# KiCad board keyboard.kicad_pcb (continued)
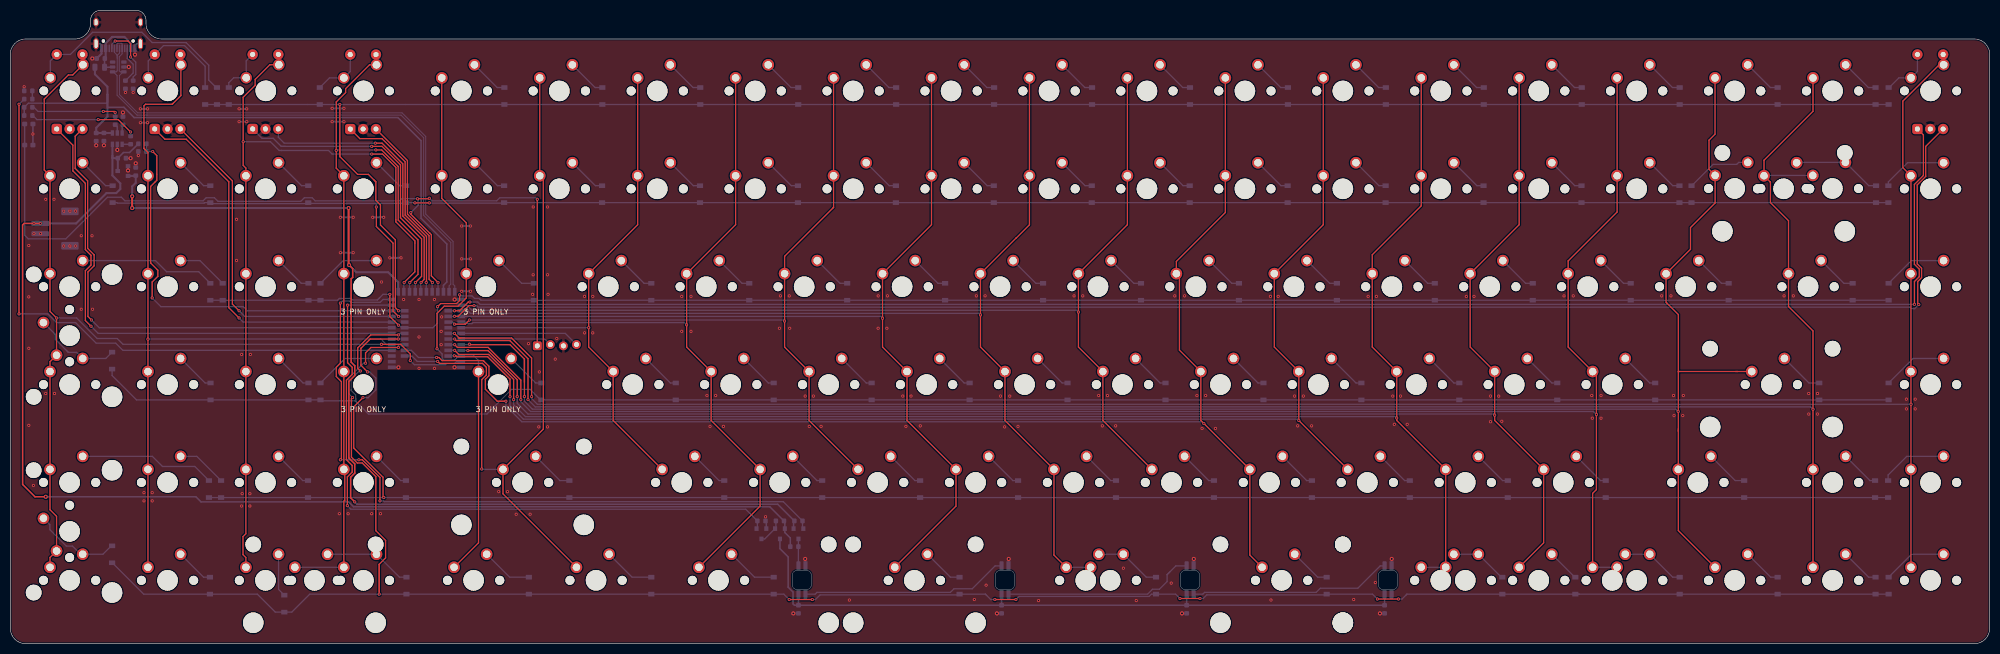
[diagram p0: board, top side]
## Nets
+3V3: C2.2 Q3.1 R1.1 U3.2 U4.14
+5V: C3.1 C4.1 D1.2 D14.2 F1.1 U1.4 U4.22
GND: C1.1 C2.1 C3.2 C4.2 C19.1 C20.1 C21.1 C23.1 C40.1 D21.3 D22.3 D23.3 D25.3 J1.A1 J1.A12 J1.B1 J1.B12 J1.S1 J2.3 J3.2 K_0.C K_1.C K_2.C K_3.C K_19.C Q2.2 R3.1 R5.1 R6.2 R8.2 R10.2 R12.2 SW1.2 U1.2 U2.2 U3.1 U4.1 U4.25 U4.37
VBUS: C40.2 F1.2 J1.A4 J1.A9 J1.B4 J1.B9 U2.5
+BATT: C1.2 J3.1 Q1.2 R2.1 R7.1 R9.2 U1.3 U3.3
/COL0: K_0.S1 K_20.1 K_39.1 K_40.1 K_59.1 K_77.1 K_78.1 K_96.1 U4.36
/COL1: K_1.S1 K_21.1 K_41.1 K_60.1 K_79.1 K_97.1 U4.5
/COL2: K_2.S1 K_22.1 K_42.1 K_61.1 K_80.1 K_108.1 U4.15
/COL3: K_3.S1 K_23.1 K_43.1 K_62.1 K_81.1 K_98.1 K_109.1 U4.16
/COL4: K_4.1 K_24.1 K_44.1 K_63.1 K_99.1 U4.35
/COL5: K_5.1 K_25.1 K_82.1 K_100.1 U4.38
/COL6: K_6.1 K_26.1 K_45.1 K_64.1 K_83.1 U4.30
/COL7: K_7.1 K_27.1 K_46.1 K_65.1 K_84.1 K_101.1 U4.29
/COL8: K_8.1 K_28.1 K_47.1 K_66.1 K_85.1 U4.53
/COL9: K_9.1 K_29.1 K_48.1 K_67.1 K_86.1 K_110.1 U4.28
/COL10: K_10.1 K_30.1 K_49.1 K_68.1 K_87.1 K_102.1 K_111.1 U4.27
/COL11: K_11.1 K_31.1 K_50.1 K_69.1 K_88.1 U4.26
/COL12: K_12.1 K_32.1 K_51.1 K_70.1 K_89.1 K_112.1 U4.39
/COL13: K_13.1 K_33.1 K_52.1 K_71.1 K_90.1 U4.47
/COL14: K_14.1 K_34.1 K_53.1 K_72.1 K_91.1 K_103.1 K_113.1 U4.48
/COL15: K_15.1 K_35.1 K_54.1 K_73.1 K_92.1 K_114.1 U4.34
/COL16: K_16.1 K_36.1 K_55.1 K_74.1 K_104.1 K_115.1 U4.49
/COL17: K_17.1 K_56.1 K_75.1 K_93.1 K_105.1 K_117.1 U4.33
/COL18: K_18.1 K_37.1 K_57.1 K_94.1 K_106.1 K_116.1 U4.50
/COL19: K_19.S1 K_38.1 K_58.1 K_76.1 K_95.1 K_107.1 U4.51
/ENC0_A: K_0.A U4.7
/ENC0_B: K_0.B U4.8
/ENC1_A: K_1.A U4.9
/ENC1_B: K_1.B U4.10
/ENC2_A: K_2.A U4.17
/ENC2_B: K_2.B U4.18
/ENC3_A: K_3.A U4.19
/ENC3_B: K_3.B U4.20
/ENC4_A: K_19.A U4.55
/ENC4_B: K_19.B U4.54
/nRST: J2.1 SW1.1 U4.21
/ROW0: D_0.1 D_1.1 D_2.1 D_3.1 D_4.1 D_5.1 D_6.1 D_7.1 D_8.1 D_9.1 D_10.1 D_11.1 D_12.1 D_13.1 D_14.1 D_15.1 D_16.1 D_17.1 D_18.1 D_19.1 U4.46
/ROW1: D_20.1 D_21.1 D_22.1 D_23.1 D_24.1 D_25.1 D_26.1 D_27.1 D_28.1 D_29.1 D_30.1 D_31.1 D_32.1 D_33.1 D_34.1 D_35.1 D_36.1 D_37.1 D_38.1 D_59.1 U4.45
/ROW2: D_39.1 D_41.1 D_42.1 D_43.1 D_44.1 D_45.1 D_46.1 D_47.1 D_48.1 D_49.1 D_50.1 D_51.1 D_52.1 D_53.1 D_54.1 D_55.1 D_56.1 D_57.1 D_58.1 U4.43
/ROW3: D_40.1 D_60.1 D_61.1 D_62.1 D_63.1 D_64.1 D_65.1 D_66.1 D_67.1 D_68.1 D_69.1 D_70.1 D_71.1 D_72.1 D_73.1 D_74.1 D_75.1 D_76.1 U4.42
/ROW4: D_77.1 D_79.1 D_80.1 D_81.1 D_82.1 D_83.1 D_84.1 D_85.1 D_86.1 D_87.1 D_88.1 D_89.1 D_90.1 D_91.1 D_92.1 D_93.1 D_94.1 D_95.1 U4.41
/ROW5: D_78.1 D_97.1 D_98.1 D_99.1 D_100.1 D_101.1 D_102.1 D_103.1 D_104.1 D_105.1 D_106.1 D_107.1 D_108.1 D_110.1 D_112.1 D_114.1 U4.40
/SWDCLK: J2.4 U4.31
/SWDIO: J2.2 U4.32
/UG_DAT: Q3.2 R1.2 U4.13
/UG_DAT_VBATT: D21.4 Q3.3 R2.2
/UG_EN: Q2.1 R10.1 U4.12
/UG_VPWR: C19.2 C20.2 C21.2 C23.2 D21.1 D22.1 D23.1 D25.1 Q1.3
/USB_D+: J1.A6 J1.B6 U2.3 U4.24
/USB_D-: J1.A7 J1.B7 U2.4 U4.23
/USR_LED: D2.2 U4.4
/VSENSE: R7.2 R8.1 U4.11
Net-(D1-Pad1): D1.1 R11.2
Net-(D2-Pad1): D2.1 R12.1
Net-(D14-Pad1): D14.1 R4.2
Net-(D21-Pad2): D21.2 D22.4
Net-(D22-Pad2): D22.2 D23.4
Net-(D23-Pad2): D23.2 D25.4
Net-(D_0-Pad2): D_0.2 K_0.S2
Net-(D_1-Pad2): D_1.2 K_1.S2
Net-(D_2-Pad2): D_2.2 K_2.S2
Net-(D_3-Pad2): D_3.2 K_3.S2
Net-(D_4-Pad2): D_4.2 K_4.2
Net-(D_5-Pad2): D_5.2 K_5.2
Net-(D_6-Pad2): D_6.2 K_6.2
Net-(D_7-Pad2): D_7.2 K_7.2
Net-(D_8-Pad2): D_8.2 K_8.2
Net-(D_9-Pad2): D_9.2 K_9.2
Net-(D_10-Pad2): D_10.2 K_10.2
Net-(D_11-Pad2): D_11.2 K_11.2
Net-(D_12-Pad2): D_12.2 K_12.2
Net-(D_13-Pad2): D_13.2 K_13.2
Net-(D_14-Pad2): D_14.2 K_14.2
Net-(D_15-Pad2): D_15.2 K_15.2
Net-(D_16-Pad2): D_16.2 K_16.2
Net-(D_17-Pad2): D_17.2 K_17.2
Net-(D_18-Pad2): D_18.2 K_18.2
Net-(D_19-Pad2): D_19.2 K_19.S2
Net-(D_20-Pad2): D_20.2 K_20.2
Net-(D_21-Pad2): D_21.2 K_21.2
Net-(D_22-Pad2): D_22.2 K_22.2
Net-(D_23-Pad2): D_23.2 K_23.2
Net-(D_24-Pad2): D_24.2 K_24.2
Net-(D_25-Pad2): D_25.2 K_25.2
Net-(D_26-Pad2): D_26.2 K_26.2
Net-(D_27-Pad2): D_27.2 K_27.2
Net-(D_28-Pad2): D_28.2 K_28.2
Net-(D_29-Pad2): D_29.2 K_29.2
Net-(D_30-Pad2): D_30.2 K_30.2
Net-(D_31-Pad2): D_31.2 K_31.2
Net-(D_32-Pad2): D_32.2 K_32.2
Net-(D_33-Pad2): D_33.2 K_33.2
Net-(D_34-Pad2): D_34.2 K_34.2
Net-(D_35-Pad2): D_35.2 K_35.2
Net-(D_36-Pad2): D_36.2 K_36.2
Net-(D_37-Pad2): D_37.2 K_37.2 K_116.2
Net-(D_38-Pad2): D_38.2 K_38.2
Net-(D_39-Pad2): D_39.2 K_39.2
Net-(D_40-Pad2): D_40.2 K_40.2 K_59.2
Net-(D_41-Pad2): D_41.2 K_41.2
Net-(D_42-Pad2): D_42.2 K_42.2
Net-(D_43-Pad2): D_43.2 K_43.2
Net-(D_44-Pad2): D_44.2 K_44.2
Net-(D_45-Pad2): D_45.2 K_45.2
Net-(D_46-Pad2): D_46.2 K_46.2
Net-(D_47-Pad2): D_47.2 K_47.2
Net-(D_48-Pad2): D_48.2 K_48.2
Net-(D_49-Pad2): D_49.2 K_49.2
Net-(D_50-Pad2): D_50.2 K_50.2
Net-(D_51-Pad2): D_51.2 K_51.2
Net-(D_52-Pad2): D_52.2 K_52.2
Net-(D_53-Pad2): D_53.2 K_53.2
Net-(D_54-Pad2): D_54.2 K_54.2
Net-(D_55-Pad2): D_55.2 K_55.2
Net-(D_56-Pad2): D_56.2 K_56.2
Net-(D_57-Pad2): D_57.2 K_57.2
Net-(D_58-Pad2): D_58.2 K_58.2
Net-(D_59-Pad2): D_59.2 K_117.2
Net-(D_60-Pad2): D_60.2 K_60.2
Net-(D_61-Pad2): D_61.2 K_61.2
Net-(D_62-Pad2): D_62.2 K_62.2
Net-(D_63-Pad2): D_63.2 K_63.2
Net-(D_64-Pad2): D_64.2 K_64.2
Net-(D_65-Pad2): D_65.2 K_65.2
Net-(D_66-Pad2): D_66.2 K_66.2
Net-(D_67-Pad2): D_67.2 K_67.2
Net-(D_68-Pad2): D_68.2 K_68.2
Net-(D_69-Pad2): D_69.2 K_69.2
Net-(D_70-Pad2): D_70.2 K_70.2
Net-(D_71-Pad2): D_71.2 K_71.2
Net-(D_72-Pad2): D_72.2 K_72.2
Net-(D_73-Pad2): D_73.2 K_73.2
Net-(D_74-Pad2): D_74.2 K_74.2
Net-(D_75-Pad2): D_75.2 K_75.2
Net-(D_76-Pad2): D_76.2 K_76.2
Net-(D_77-Pad2): D_77.2 K_77.2
Net-(D_78-Pad2): D_78.2 K_78.2 K_96.2
Net-(D_79-Pad2): D_79.2 K_79.2
Net-(D_80-Pad2): D_80.2 K_80.2
Net-(D_81-Pad2): D_81.2 K_81.2
Net-(D_82-Pad2): D_82.2 K_82.2
Net-(D_83-Pad2): D_83.2 K_83.2
Net-(D_84-Pad2): D_84.2 K_84.2
Net-(D_85-Pad2): D_85.2 K_85.2
Net-(D_86-Pad2): D_86.2 K_86.2
Net-(D_87-Pad2): D_87.2 K_87.2
Net-(D_88-Pad2): D_88.2 K_88.2
Net-(D_89-Pad2): D_89.2 K_89.2
Net-(D_90-Pad2): D_90.2 K_90.2
Net-(D_91-Pad2): D_91.2 K_91.2
Net-(D_92-Pad2): D_92.2 K_92.2
Net-(D_93-Pad2): D_93.2 K_93.2
Net-(D_94-Pad2): D_94.2 K_94.2
Net-(D_95-Pad2): D_95.2 K_95.2
Net-(D_97-Pad2): D_97.2 K_97.2
Net-(D_98-Pad2): D_98.2 K_98.2 K_109.2
Net-(D_99-Pad2): D_99.2 K_99.2
Net-(D_100-Pad2): D_100.2 K_100.2
Net-(D_101-Pad2): D_101.2 K_101.2
Net-(D_102-Pad2): D_102.2 K_102.2 K_111.2
Net-(D_103-Pad2): D_103.2 K_103.2 K_113.2
Net-(D_104-Pad2): D_104.2 K_104.2 K_115.2
Net-(D_105-Pad2): D_105.2 K_105.2
Net-(D_106-Pad2): D_106.2 K_106.2
Net-(D_107-Pad2): D_107.2 K_107.2
Net-(D_108-Pad2): D_108.2 K_108.2
Net-(D_110-Pad2): D_110.2 K_110.2
Net-(D_112-Pad2): D_112.2 K_112.2
Net-(D_114-Pad2): D_114.2 K_114.2
Net-(J1-PadA5): J1.A5 R5.2
Net-(J1-PadB5): J1.B5 R6.1
Net-(Q1-Pad1): Q1.1 Q2.3 R9.1
Net-(R3-Pad2): R3.2 U1.6
Net-(R4-Pad1): R4.1 U1.5
Net-(R11-Pad1): R11.1 U1.1

Pads without a net: D25 2; J1 A8 B8; U2 1 6; U4 2 3 6 44 52

## Via types
v1: diameter 0.6, hole 0.3, Top to Bottom, 304 vias
v2: diameter 0.8, hole 0.4, Top to Bottom, 26 vias

## Routing (per net, layer and track width the routed paths; a pad name or vN(x,y) marks a point on that pad's centre or on a via; arc(x,y) is an arc through that point)
+3V3: length 211.2
  Top w0.3: v1(67,27.6) 66.2,28.4 66.2,32.4 67,33.2 67,35 65.85,36.15 65.85,51.05 67,52.2 67,54.1 66.3,54.8 66.3,71 66.6,71.3 66.6,73 v2(65.9,73.7)
  Top w0.4: v2(23.71,87.07) 23.7,87.06 v2(23.7,84.8) ; v2(65.8,84.8) 65.8,73.8 v2(65.9,73.7)
  Bottom w0.3: Q3.1 152.35,23.74 R1.1 149.26,27.15 67.45,27.15 v1(67,27.6)
  Bottom w0.4: U4.14 75.45,70.35 73.5,72.3 67.3,72.3 v2(65.9,73.7) ; v2(65.8,84.8) v2(23.7,84.8) ; v2(23.71,87.07) 23.71,89.01 24.4,89.7 C2.2 24.34,91.05 U3.2
+5V: length 136
  Bottom w0.25: 18.9,105.4 18.7,105.2 3.51,105.2 D14.2
  Bottom w0.3: 16.46,111.94 F1.1 ; U4.22 84.25,69.75 84.9,70.4 84.9,77.8 79.9,82.8 79.9,97.9 75.4,102.4 24.1,102.4 22.1,104.4 18.9,104.4 18.9,106.9 ; 2.71,104.7 2.71,102.9
  Bottom w0.4: F1.1 16.46,110.84 18.9,108.4 18.9,106.9 ; U1.4 C3.1 16.71,100.41 18.9,102.6 18.9,106.9 ; 18.9,105.4 18.9,106.9
GND: length 62.6
  Bottom w0.25: R12.2 2.71,108.39 v1(2.7,108.4)
  Bottom w0.3: C20.1 152.31,5.91 v2(152.3,5.9) ; v2(194.2,16.5) 194.16,16.46 D22.3 ; C21.1 227.91,5.91 v2(227.9,5.9) ; U1.2 v2(20.81,96.1) ; v2(154.6,16.5) 154.66,16.44 D21.3 ; J1.A1 17.75,116.45 17.42,116.78 J1.S1 ; SW1.2 v1(4.4,99.2) SW1.2 ; v2(266.4,5.9) 266.41,5.91 C23.1 ; C4.2 v2(18.21,97) ; v2(268.7,16.5) 268.66,16.46 D25.3 ; v2(191.9,5.9) 191.91,5.91 C19.1 ; R5.1 v1(23.9,107.27) ; Q2.2 147.05,23.74 R10.2 146.89,24.69 v1(146.9,24.7) ; R6.2 v1(22.4,107.29) ; U4.37 v2(86.4,53.8) ; R3.1 v2(21.91,103.4) ; J1.A12 24.25,116.45 24.58,116.78 J1.S1 ; D23.3 230.16,16.46 v2(230.2,16.5) ; R8.2 v1(24.9,95) ; 16.71,97.82 v2(16.71,97) ; U4.1 v2(75.5,53.8) ; U4.25 v2(86.42,67)
  Bottom w0.4: v1(70.5,83) v1(72.62,83) ; v1(89.5,74.9) v1(87.8,74.9) ; v1(76,75.1) v1(73.83,75.1) ; v1(89.5,68.6) v1(87.8,68.6) ; v1(44.5,104.1) v1(46,104.1) ; J1.A12 v2(24.25,114.65) ; C2.1 v2(24.4,93.5) ; v1(25.3,101.4) v1(26.7,101.4) ; v2(15.95,113.9) C40.1 17.75,114.84 J1.A1 ; v1(64.9,104.2) v1(62.6,104.2) ; v1(25.3,104.1) v1(26.7,104.1) ; v2(23.05,112.25) U2.2 22.15,112.2 ; v1(64.9,101.6) v1(62.6,101.6) ; v1(44.5,101.6) v1(46,101.6) ; C1.1 v2(23.4,94.5) ; v1(66.7,83) v1(64.2,83) ; U3.1 v2(22.9,92.1) ; v1(66.7,76.1) v1(64.2,76.1) ; v1(89.5,81.3) v1(87.8,81.3)
  vias: v1(3.6,77.5) v1(3.6,67.5) v1(3.6,57.5) v1(3.6,42.5) v1(4.5,30.8) v1(4.6,79.8) v1(5.9,79.8) v1(6.9,86.5) v1(6.9,48.7) v1(8.5,86.5) v1(8.6,48.7) v1(10.4,84.2) v1(10.4,77.4) v1(11.6,84.2) v1(11.6,77.4) v1(12.7,84.2) v1(12.7,77.4) v1(13.8,79.4) v1(13.8,65.1) v1(15.9,79.4) v1(16,65.1) v1(26,29.4) v1(26,27.8) v1(27.6,29.4) v1(27.6,27.8) v1(44,82.6) v1(44,74.6) v1(45,56.3) v1(45,26.8) v1(45.1,29.2) v1(46.6,29.2) v1(46.6,26.8) v1(46.7,56.3) v1(64,25.3) v1(65.7,25.3) v1(70.3,25.3) v1(72,25.3) v1(72.2,70.4) v1(76.5,67) v1(79.5,67) v1(79.5,59.7) v1(79.5,53.6) v1(82.5,67) v1(82.5,53.6) v1(83.8,60.8) v1(83.8,58.2) v1(83.9,63.6) v1(95,29.6) v1(96.7,29.6) v1(98.4,25.2) v1(100.8,58.4) v1(101.1,25.2) v1(101.6,68) v1(101.7,85) v1(101.7,71.8) v1(102.8,42.2) v1(102.9,52.9) v1(104.5,85) v1(104.5,71.8) v1(104.5,42.2) v1(104.6,68) v1(106,55.4) v1(106.3,59.4) v1(111.7,67.6) v1(111.7,60.5) v1(113.3,67.6) v1(113.3,60.5) v1(130.6,67.6) v1(130.6,60.8) v1(132.4,67.6) v1(132.4,60.8) v1(135.5,48.3) v1(136.1,42.3) v1(137.2,48.3) v1(138.7,42.3) v1(149.6,61.4) v1(149.8,67.7) v1(151.5,67.7) v1(151.6,61.4) v1(154.6,48.2) v1(155.4,42.3) v1(156.2,48.2) v1(157.7,42.3) v1(163.2,8.5) v1(168.8,67.7) v1(168.8,61.4) v1(170.5,61.4) v1(170.6,67.7) v1(173.6,48.2) v1(174.2,42.3) v1(175.2,48.2) v1(177,42.4) v1(187.5,8.6) v1(187.9,67.7) v1(189.6,67.7) v1(189.8,11.4) v1(192.6,48.2) v1(193.4,42.2) v1(194.4,48.2) v1(196,42.3) v1(200,8.4) v1(206.9,67.7) v1(208.6,67.7) v1(211.7,48.3) v1(212.4,42.4) v1(213.4,48.3) v1(215,42.4) v1(216.5,14.7) v1(219,8.4) v1(225.8,11.8) v1(226.5,67.7) v1(228.4,67.7) v1(230.8,48.3) v1(231.8,41.9) v1(232.5,48.3) v1(234.4,41.9) v1(245.1,67.6) v1(245.2,8.5) v1(246.6,67.6) v1(249.8,48.2) v1(250.4,42.4) v1(251.5,48.2) v1(253.1,42.4) v1(261.3,8.6) v1(264.1,67.6) v1(265.5,11.9) v1(265.7,67.6) v1(268.9,48.2) v1(269.2,42.7) v1(270.4,48.2) v1(271.7,42.7) v1(283.2,67.6) v1(284.7,67.6) v1(287.9,48.2) v1(287.9,43.2) v1(289.5,48.2) v1(290.1,43.3) v1(302.2,67.7) v1(304,67.7) v1(307.6,48.3) v1(307.7,43.9) v1(309.4,48.3) v1(309.4,43.9) v1(321.2,67.7) v1(323,67.7) v1(323.5,48.3) v1(323.6,44.4) v1(325.3,44.4) v1(325.4,48.3) v1(345,67.7) v1(346.8,67.7) v1(349.8,48.7) v1(349.8,44.7) v1(351.5,48.7) v1(351.5,44.7) v1(368.8,47.6) v1(368.8,45.7) v1(370.5,47.6) v1(370.5,45.7)
VBUS: length 13.2
  Bottom w0.3: U2.5 19.85,112.2 F1.2 18.34,113.85 C40.2
  Bottom w0.4: C40.2 18.55,114.06 J1.A4 18.55,116.85 19.8,118.1 22.2,118.1 23.45,116.85 J1.A9
+BATT: length 247.4
  Top w0.3: v1(5.85,81.8) v1(4.6,81.8) 2.7,81.8 2.4,81.5 2.4,31 4.8,28.6 v2(6.9,28.6)
  Bottom w0.3: C1.2 22.01,95.6 23.2,95.6 R7.1 ; R2.1 151.71,20.59 150.65,21.65 Q1.2 150.65,23.74 R9.2 147.74,26.65 66.77,26.65 65.82,27.6 37.1,27.6 36.1,28.6 v2(6.9,28.6)
  Bottom w0.4: 19.86,94.96 U1.3 ; 19.86,94.96 19.86,91.14 21.4,89.6 21.4,88.5 20.6,87.7 18.7,87.7 12.8,81.8 v1(5.85,81.8) ; 19.86,94.96 19.86,94.56 19.92,94.5 C1.2 20.91,92.01 U3.3
/COL0: length 189.5
  Top w0.25: K_96.1 7.73,16.78 K_78.1 9,24.8 7.73,26.07 K_77.1 K_59.1 7.73,54.88 K_40.1 9,63.4 v1(9,63.4) 7.73,64.67 K_39.1 K_20.1 6.6,92.2 6.6,106 11.3,110.7 12.15,110.7 K_0.S1 14.14,114.59 K_0.S1 ; v1(77.8,55.1) 77.8,56.4 75.92,58.28 v1(72.19,58.28)
  Bottom w0.25: v1(77.8,55.1) 78.6,54.3 84.66,54.3 84.89,54.53 86.43,54.53 86.8,54.9 U4.36 ; v1(72.19,58.28) 21.92,58.28 20.8,59.4 16.9,59.4 12.9,63.4 v1(9,63.4)
/COL1: length 154.6
  Top w0.25: 26,96.4 26,104.7 26.3,105 31.5,105 ; 26,96.4 26.78,95.62 K_21.1 K_41.1 v1(26.78,59.28) K_60.1 K_79.1 K_97.1 ; 26,96.4 26.15,96.25 ; 31.5,105 31.7,105.2 ; 31.5,105 33.19,106.69 K_1.S1
  Bottom w0.25: v1(26.78,59.28) 26.8,59.3 72.1,59.3 72.6,58.8 72.6,58.79 73.19,58.2 U4.5 ; K_1.S1 33.09,112.79 K_1.S1
/COL2: length 162.9
  Top w0.25: v1(76.6,70.3) 78.7,72.4 78.7,78.4 75,82.1 75,92.7 72.4,95.3 v1(70.3,95.3) ; K_108.1 45.83,16.77 45.26,17.34 45.26,20.84 45.83,21.41 K_80.1 K_61.1 K_42.1 K_22.1 45.83,92.57 45.3,93.1 45.3,106.36 47.62,108.68 47.62,109.82 50.49,112.69 K_2.S1 52.24,114.59 K_2.S1
  Bottom w0.25: v1(76.6,70.3) 76.55,70.25 U4.15 ; 52.8,96 61.9,96 62.6,95.3 v1(70.3,95.3) ; 52.8,96 52.7,96 ; 52.8,96 52.3,96 50.6,97.7 v1(45.3,97.7)
/COL3: length 154.2
  Top w0.25: v1(71.1,96.1) 72.24,96.1 75.45,92.89 75.45,82.45 79.3,78.6 79.3,71.9 v1(77.7,70.3) ; K_3.S1 69.87,112.67 65.23,108.03 65.23,107.27 63.4,105.45 63.4,92.55 K_23.1 K_43.1 K_62.1 K_81.1 65.06,33.75 65.06,27.92 64.88,27.74 K_109.1
  Bottom w0.25: K_109.1 K_98.1 ; v1(71.1,96.1) 63.5,96.1 v1(63.4,96) ; U4.16 77.65,70.25 v1(77.7,70.3) ; K_3.S1 71.13,112.77 K_3.S1
/COL4: length 111
  Top w0.25: K_4.1 K_24.1 83.93,86.67 88.69,81.91 K_44.1 88.69,67.29 87.1,65.7 84.4,65.7 83,64.3 v1(83,57.4) ; K_63.1 91.07,19.64 K_99.1
  Bottom w0.25: K_63.1 91.07,55.13 90.2,56 U4.35 87.2,56 86.45,55.25 84.25,55.25 84,55.5 84,56.4 v1(83,57.4)
/COL5: length 145.9
  Top w0.25: v1(91.7,34) 91.7,51.4 92.6,52.3 92.6,53.8 91.84,54.56 83.49,54.56 v1(83.12,54.94) ; K_100.1 95.83,29.16 K_82.1 103.67,41.77 103.67,90.38 K_25.1 K_5.1
  Bottom w0.25: U4.38 78.1,56 79.16,54.94 v1(83.12,54.94) ; v1(91.7,34) 91.77,33.93 K_82.1
/COL6: length 110.9
  Top w0.25: K_6.1 K_26.1 122.03,81.55 K_45.1 v1(112.5,61.5) 112.5,57.74 K_64.1 117.26,43.45 K_83.1
  Bottom w0.25: U4.30 112.5,61.5 v1(112.5,61.5)
/COL7: length 154.3
  Top w0.25: K_7.1 K_27.1 141.08,81.55 K_46.1 v1(131.55,62.05) 131.55,57.74 K_65.1 136.31,43.45 K_84.1 145.84,26.78 K_101.1
  Bottom w0.25: v1(131.55,62.05) 131.1,62.5 90,62.5 89.8,62.3 89,62.3 88.7,62.6 U4.29
/COL8: length 152.4
  Top w0.25: 160.13,84.93 159.9,84.7 ; 160.13,84.93 150.6,75.4 K_47.1 150.6,57.74 K_66.1 155.37,43.45 K_85.1 ; 160.13,84.93 K_28.1 K_8.1 ; v1(86.4,62.2) 88.5,62.2 v1(89.3,63)
  Bottom w0.25: v1(86.4,62.2) 86,62.6 U4.53 ; v1(89.3,63) 150.4,63 v1(150.6,62.8)
/COL9: length 192.1
  Top w0.25: K_9.1 K_29.1 179.18,81.55 K_48.1 v1(169.65,63.35) 169.65,57.74 K_67.1 174.42,43.45 K_86.1 183.94,26.78 K_110.1
  Bottom w0.25: U4.28 169.31,63.7 v1(169.65,63.35)
/COL10: length 212.2
  Top w0.25: K_102.1 202.99,17.26 K_87.1 193.46,43.45 K_68.1 188.7,57.74 v1(188.7,64) K_49.1 195.68,79 195.7,79 198.23,81.53 K_30.1 K_10.1
  Bottom w0.25: U4.27 89,64.8 89.5,64.3 188.4,64.3 v1(188.7,64) ; K_111.1 K_102.1
/COL11: length 206.7
  Top w0.25: K_11.1 K_31.1 217.28,81.55 K_50.1 v1(207.75,64.55) 207.75,57.74 K_69.1 212.51,43.45 K_88.1
  Bottom w0.25: v1(207.75,64.55) 207.4,64.9 89.8,64.9 88.8,65.9 U4.26
/COL12: length 271.9
  Top w0.25: v1(82.91,55.71) 83.39,55.71 84,55.1 92,55.1 ; 92,55.1 93.1,54 93.1,52.16 92.4,51.46 92.4,49.52 94.72,47.2 v1(96.4,47.2) ; 92,55.1 92.2,54.9 ; K_12.1 K_32.1 236.33,83.93 226.8,74.4 K_51.1 227.4,71.43 227.4,57.14 K_70.1 231.56,43.45 K_89.1 241.09,17.26 K_112.1
  Bottom w0.25: v1(82.91,55.71) 79.39,55.71 78,57.1 U4.39 ; v1(96.4,47.2) 96.4,46.3 99.5,43.2 231.82,43.2 v1(232.16,42.86)
/COL13: length 259.8
  Top w0.25: v1(86.36,56.04) 86.66,56.04 86.85,55.85 92.85,55.85 97.2,51.5 v1(97.2,48.1) ; K_90.1 v1(250.62,43.45) K_71.1 245.85,57.74 K_52.1 255.38,81.55 K_33.1 K_13.1
  Bottom w0.25: U4.47 86.32,56 v1(86.36,56.04) ; v1(97.2,48.1) 97.2,46.3 99.8,43.7 250.37,43.7 v1(250.62,43.45)
/COL14: length 302.7
  Top w0.25: v1(97.9,47.5) 97.9,51.44 93.04,56.3 87.24,56.3 v1(86.44,57.1) ; K_14.1 K_34.1 274.43,85.23 264.9,75.7 K_53.1 264.9,57.74 K_72.1 v1(269.67,43.94) 269.67,43.45 K_91.1 K_103.1
  Bottom w0.25: v1(269.67,43.94) 269.4,44.2 100.2,44.2 97.9,46.5 v1(97.9,47.5) ; K_103.1 K_113.1 ; U4.48 v1(86.44,57.1)
/COL15: length 316
  Top w0.25: v1(98.6,48.1) 98.6,51.37 92.92,57.05 v1(89,57.05) ; K_114.1 298.24,19.64 K_92.1 288.71,43.45 K_73.1 283.95,57.74 K_54.1 293.48,81.55 K_35.1 K_15.1
  Bottom w0.25: v1(98.6,48.1) 98.6,46.8 100.7,44.7 288.5,44.7 v1(288.71,44.48) ; U4.34 88.95,57.1 v1(89,57.05)
/COL16: length 337.9
  Top w0.25: v1(86.44,58.2) 86.96,57.68 92.93,57.68 99.3,51.31 v1(99.3,47.5) ; K_104.1 307.76,29.26 308.5,30 v1(308.5,44.6) 308.5,52.24 K_74.1 303,57.74 K_55.1 303,74.5 312.53,84.03 K_36.1 K_16.1
  Bottom w0.25: U4.49 v1(86.44,58.2) ; v1(99.3,47.5) 99.3,47.1 101.2,45.2 307.9,45.2 v1(308.5,44.6) ; K_115.1 K_104.1
/COL17: length 371.4
  Top w0.25: 324.43,41.37 324.43,52.93 ; 324.43,41.37 K_93.1 324.43,22.02 K_105.1 ; 324.43,41.37 324.43,41.83 ; 324.43,52.93 324.48,52.98 335.92,52.98 ; 324.43,52.93 324.43,64.07 322.05,66.45 K_56.1 326.8,76.78 326.8,81 331.59,85.79 K_117.1 330.4,92.33 330.4,98 331.58,99.18 K_17.1 ; 335.92,52.98 K_75.1 338.72,53.68 ; 335.92,52.98 335.58,52.98 ; 100,55.4 100,50.9 ; 100,55.4 v1(100,48.1) ; 100,55.4 97.2,58.2 89.4,58.2 v1(89.3,58.3)
  Bottom w0.25: v1(100,48.1) 100,47.2 101.55,45.65 323.95,45.65 v1(324.4,45.2) ; U4.33 89.2,58.2 v1(89.3,58.3)
/COL18: length 388.4
  Top w0.25: K_18.1 350.63,103.63 341.1,94.1 K_37.1 342.28,89.9 342.3,89.9 342.35,89.85 342.35,85.85 345.87,82.33 K_57.1 345.87,65.63 350.63,60.87 K_94.1 K_106.1 ; v1(86.44,59.3) 86.74,59 97.16,59 100.7,55.46 v1(100.7,47.5)
  Bottom w0.25: v1(350.63,45.63) 350.16,46.1 102.1,46.1 v1(100.7,47.5) ; U4.50 v1(86.44,59.3) ; K_37.1 341.17,91.14 K_116.1
/COL19: length 399.5
  Top w0.25: v1(86.4,60.4) 87.3,59.5 ; 87.3,59.5 87.7,59.5 ; 87.3,59.5 97.5,59.5 101.4,55.6 v1(101.4,48.1) ; K_19.S1 375.18,112.68 368.1,105.6 368.1,92.66 K_38.1 K_58.1 K_76.1 K_95.1 K_107.1
  Bottom w0.25: v1(101.4,48.1) 101.4,47.72 102.52,46.6 v1(369.7,46.6) ; K_19.S1 375.94,112.78 K_19.S1 ; U4.51 v1(86.4,60.4)
/ENC0_A: length 101.1
  Top w0.25: v1(15.7,61.8) 14.6,62.9 14.6,72.6 15.7,73.7 15.7,75.6 14.6,76.7 14.6,89.6 12.18,92.02 12.18,97.02 9.04,100.16 K_0.A
  Bottom w0.25: U4.7 17.1,60.4 v1(15.7,61.8)
/ENC0_B: length 99.1
  Top w0.25: v1(15.8,63) 15.1,63.7 15.1,72.35 16.3,73.55 16.3,75.7 15.05,76.95 15.05,90.09 12.63,92.51 12.63,98.78 K_0.B
  Bottom w0.25: v1(15.8,63) 17.3,61.5 U4.8
/ENC1_A: length 76
  Top w0.25: v1(44.5,63.4) 42.5,65.4 42.5,89.9 34.2,98.2 30.07,98.2 K_1.A
  Bottom w0.25: v1(44.5,63.4) 45.3,62.6 U4.9
/ENC1_B: length 70.3
  Top w0.25: v1(44.5,64.8) 43.2,66.1 43.2,90.07 K_1.B
  Bottom w0.25: U4.10 45.6,63.7 v1(44.5,64.8)
/ENC2_A: length 59.4
  Top w0.25: v1(78.8,70.3) 80,71.5 80,78.8 75.9,82.9 75.9,93.2 72.3,96.8 v1(70.3,96.8)
  Bottom w0.25: v1(78.8,70.3) 78.75,70.25 U4.17 ; K_2.A 48.96,98.36 51.14,98.36 52.7,96.8 ; 52.7,96.8 53.5,96.8 ; 52.7,96.8 v1(70.3,96.8)
/ENC2_B: length 54.9
  Top w0.25: v1(79.9,70.3) 80.5,70.9 80.5,79.09 76.35,83.24 76.35,93.39 72.31,97.42 v1(71,97.42)
  Bottom w0.25: v1(79.9,70.3) 79.85,70.25 U4.18 ; v1(71,97.42) 53.28,97.42 52.14,98.56 K_2.B
/ENC3_A: length 40.4
  Top w0.25: v1(80.9,70.3) 80.95,70.35 80.95,79.28 76.8,83.43 76.8,93.8 72.3,98.3 68,98.3 K_3.A
  Bottom w0.25: U4.19 80.9,68.55 v1(80.9,70.3)
/ENC3_B: length 36.2
  Top w0.25: K_3.B 77.25,94.05 77.25,83.62 81.45,79.41 81.45,70.95 v1(82.1,70.3)
  Bottom w0.25: v1(82.1,70.3) 82.05,70.25 U4.20
/ENC4_A: length 322.2
  Top w0.25: v1(86.4,64.8) 87.36,64.8 89.06,66.5 v1(89.4,66.5) ; K_19.A 372.1,99.02 372.1,91.14 370.35,89.39 370.35,73.85 371.3,72.9 371.3,71.44 370.36,70.49 v1(370.36,66.04)
  Bottom w0.25: v1(370.36,66.04) 91.38,66.04 90.92,66.5 v1(89.4,66.5) ; U4.55 v1(86.4,64.8)
/ENC4_B: length 324.5
  Top w0.25: v1(86.4,63.72) 87.12,63.72 89.2,65.8 v1(90.2,65.8) ; v1(371.2,66) 371,66.2 371,70.5 371.75,71.25 371.75,73.09 370.9,73.94 370.9,89.3 372.55,90.95 372.55,96.79 K_19.B
  Bottom w0.25: v1(86.4,63.72) 86.38,63.7 U4.54 ; v1(90.2,65.8) 90.7,65.8 91,65.5 369.5,65.5 369.8,65.2 370.4,65.2 v1(371.2,66)
/nRST: length 176.7
  Top w0.25: v1(83.2,70.3) 81.9,71.6 81.9,79.61 81.61,79.9 81.6,79.9 77.9,83.6 v1(77.9,83.9) ; J2.1 v1(102.5,86.5) ; v1(79.2,86.6) 81.4,86.6 v1(81.5,86.7)
  Bottom w0.25: v1(83.2,70.3) 83.2,68.55 U4.21 ; v1(77.9,83.9) 79.32,85.32 79.32,86.48 v1(79.2,86.6) 79.18,86.62 76.12,86.62 75.7,86.2 59.3,86.2 58.7,86.8 57.2,86.8 56.5,86.1 40.4,86.1 39.7,86.8 38.1,86.8 37.5,86.2 22.3,86.2 21.6,86.9 18.9,86.9 10.8,78.8 3.5,78.8 2.8,79.5 SW1.1 SW1.1 ; v1(81.5,86.7) 82,86.2 94.6,86.2 95.2,86.8 102.2,86.8 v1(102.5,86.5)
/ROW0: length 377.1
  Top w0.25: 71.1,89.9 70.75,90.25 ; 71.1,89.9 71.1,86.3 72,85.4 72,81.5 74.9,78.6 74.9,65.4 v1(75.5,64.8) ; 71.1,89.9 69.65,91.35 67.55,91.35 64.1,94.8 ; 64.1,94.8 64.1,96.9 ; 64.1,94.8 v1(64.1,104.95)
  Bottom w0.25: D_19.1 D_18.1 D_17.1 D_16.1 D_15.1 D_14.1 D_13.1 D_12.1 D_11.1 D_10.1 D_9.1 D_8.1 D_7.1 D_6.1 D_5.1 D_4.1 40.44,104.95 ; 40.14,104.95 37.8,104.95 ; U4.46 v1(75.5,64.8)
/ROW1: length 371.5
  Top w0.25: v1(71.2,85) 71.2,81.2 74.45,77.95 74.45,64.75 v1(75.5,63.7) ; v1(78.7,85.8) v1(81.5,85.8)
  Bottom w0.25: v1(81.5,85.8) 81.55,85.75 95.95,85.75 D_24.1 D_25.1 D_26.1 D_27.1 D_28.1 D_29.1 D_30.1 D_31.1 D_32.1 D_33.1 D_34.1 D_35.1 D_36.1 D_37.1 D_38.1 ; v1(78.7,85.8) 78.65,85.85 D_23.1 76.85,85.7 71.6,85.7 ; 71.2,85.7 71.1,85.7 ; 71.2,85.7 71.6,85.7 ; 71.2,85.7 v1(71.2,85) ; 71.6,85.7 71.4,85.7 ; 71.6,85.7 58.1,85.7 D_22.1 57.75,85.65 39.1,85.65 D_21.1 37.79,85.85 37.69,85.75 20.85,85.75 20.75,85.85 D_20.1 ; U4.45 v1(75.5,63.7)
/ROW2: length 338.9
  Top w0.25: v1(83.1,65.6) 83.7,66.2 86.8,66.2 87.4,66.8 v1(87.4,67.9) ; v1(73.83,68) 73.83,63.67 v1(75.5,62)
  Bottom w0.25: D_58.1 D_57.1 D_56.1 D_55.1 D_54.1 D_53.1 D_52.1 D_51.1 D_50.1 D_49.1 D_48.1 D_47.1 D_46.1 D_45.1 D_44.1 91.55,66.85 91.3,67.1 ; 71.4,66.9 66.6,66.9 66.3,67.2 64,67.2 63.65,66.85 D_43.1 D_42.1 D_41.1 D_39.1 ; 71.4,66.9 72.5,68 v1(73.83,68) ; 71.4,66.9 71.87,67.37 ; v1(87.4,67.9) 87.6,67.7 89.8,67.7 90.3,67.2 91.2,67.2 91.3,67.1 ; 91.3,67.1 91.5,66.9 ; v1(83.1,65.6) 83.1,62.4 82.2,61.5 U4.43 76.15,61.5 75.65,62 v1(75.5,62)
/ROW3: length 375.3
  Top w0.25: v1(75.5,60.1) 70.1,60.1 67.58,57.58 67.58,53.6 v1(68.1,53.08)
  Bottom w0.25: 67.19,47.79 67.19,47.37 ; 67.19,47.37 67.19,48.41 66.3,49.3 66.3,51.5 67.88,53.08 v1(68.1,53.08) ; 67.19,47.37 67.19,47.18 ; D_76.1 D_75.1 D_74.1 D_73.1 D_72.1 D_71.1 D_70.1 D_69.1 D_68.1 D_67.1 D_66.1 D_65.1 D_64.1 D_63.1 103.15,47.45 101.1,49.5 97.5,49.5 92.7,44.7 69.67,44.7 67.19,47.18 ; D_40.1 19.8,52.2 24.55,47.45 D_60.1 D_61.1 D_62.1 60.51,47.28 67.09,47.28 67.19,47.18 ; U4.42 75.8,60.4 v1(75.5,60.1)
/ROW4: length 371.3
  Top w0.25: v1(72.65,28.45) 72.5,28.6 72.5,32.4 66.8,38.1 66.8,46.1 v1(68.6,47.9) ; v1(75.46,59.3) 70,59.3 68.2,57.5 68.2,54.2 v1(69.5,52.9)
  Bottom w0.25: D_95.1 D_94.1 D_93.1 D_92.1 D_91.1 D_90.1 D_89.1 D_88.1 D_87.1 D_86.1 D_85.1 D_84.1 D_83.1 D_82.1 D_81.1 D_80.1 D_79.1 D_77.1 ; 69.6,47.9 71.1,49.4 71.1,51.7 69.9,52.9 v1(69.5,52.9) ; 69.6,47.9 69.4,47.9 ; 69.6,47.9 v1(68.6,47.9) ; U4.41 v1(75.46,59.3)
/ROW5: length 421.8
  Top w0.25: v1(265.9,8.7) v1(270,8.7) ; v1(191.5,8.6) v1(195.6,8.6) ; v1(66.56,47.91) 66.35,47.7 66.35,36.33 67.5,35.18 68.45,35.18 71.1,32.53 71.1,22 73,20.1 73,16.7 71.75,15.45 ; 71.75,15.45 71.75,10.15 ; 71.75,15.45 v1(71.75,9.65) ; v1(156,8.6) v1(151.5,8.6) ; v1(227.5,8.8) v1(231.4,8.8) ; v1(69.1,54.6) 69.1,56.6 70.15,57.65 v1(75.48,57.65)
  Bottom w0.25: v1(151.5,8.6) 150.45,9.65 D_101.1 D_100.1 D_99.1 D_98.1 v1(71.75,9.65) 58.25,9.65 54.75,6.15 D_108.1 51.55,6.15 48.05,9.65 D_97.1 25.95,9.65 19.85,15.75 D_78.1 ; v1(195.6,8.6) 196.2,9.2 221.5,9.2 221.95,9.65 D_102.1 226.65,9.65 v1(227.5,8.8) ; v1(265.9,8.7) 264.95,9.65 D_112.1 255.89,9.5 232.7,9.5 232,8.8 v1(231.4,8.8) ; D_107.1 D_106.1 D_105.1 D_104.1 305.15,9.65 ; U4.40 75.6,58.2 75.5,58.1 75.5,57.67 v1(75.48,57.65) ; 305.15,9.65 304.64,9.65 ; 305.15,9.65 D_114.1 D_103.1 271.65,9.65 ; v1(69.1,54.6) 68.7,54.6 65.85,51.75 65.85,48.62 v1(66.56,47.91) ; v1(156,8.6) 156.6,8.6 157.5,9.5 184.49,9.5 D_110.1 189.65,9.65 ; v1(191.5,8.6) 190.7,8.6 189.65,9.65 ; 271.65,9.65 271.5,9.5 ; 271.65,9.65 270.7,8.7 v1(270,8.7) ; 189.65,9.65 189.9,9.4
/SWDCLK: length 23.3
  Bottom w0.25: U4.31 107.95,60.4 J2.4
/SWDIO: length 17.8
  Bottom w0.25: J2.2 103.97,59.3 U4.32
/UG_DAT: length 142.9
  Top w0.25: v1(71.9,27.8) 71.9,32.36 68.46,35.8 v1(67.8,35.8) ; v1(64.2,66.3) 64.2,54.6 63.4,53.8 63.4,52 64.4,51 64.4,36 v1(64.2,35.8)
  Bottom w0.25: v1(71.9,27.8) 72.6,27.8 72.75,27.65 150.34,27.65 R1.2 154.09,22.56 Q3.2 ; U4.13 72.5,67 71.95,66.45 66.29,66.45 66.04,66.7 64.6,66.7 v1(64.2,66.3) ; 65.8,35.8 v1(67.8,35.8) v1(64.2,35.8)
/UG_DAT_VBATT: length 5.3
  Bottom w0.25: Q3.3 153.29,20.39 R2.2 153.29,15.16 D21.4
/UG_EN: length 131.9
  Top w0.25: v1(65.6,65.9) 65.6,54.7 66.5,53.8 66.5,52.41 65.38,51.28 65.38,35.82 66.5,34.7 66.5,33.41 65.56,32.47 v1(65.56,26.87)
  Bottom w0.25: U4.12 v1(65.6,65.9) ; Q2.1 145.31,22.56 R10.1 143.04,26.18 66.25,26.18 v1(65.56,26.87)
/UG_VPWR: length 137.5
  Bottom w0.3: C20.2 D21.1 ; C20.2 152.51,7.49 152.25,7.75 152.25,10.05 151.3,11 151.3,16.9 149.7,18.5 Q1.3 ; C20.2 C19.2 ; C19.2 C21.2 ; C19.2 D22.1 ; C21.2 C23.2 D25.1 ; C21.2 D23.1
/USB_D+: length 108.9
  Bottom w0.2: U4.24 86.45,69.64 86.12,69.97 86.12,78.29 80.8,83.62 80.8,98.72 76.19,103.32 26.59,103.32 ; 21.75,114.86 J1.B6 21.75,116.75 21.61,116.89 20.91,116.89 20.75,116.73 J1.A6 ; 26.7,103.32 24.78,103.32 21.22,106.88 21.22,110.57 21.95,111.3 U2.3 21.4,111.3 21.2,111.5 21.2,114.25 21.75,114.8
/USB_D-: length 108.3
  Bottom w0.2: J1.A7 21.25,114.96 20.83,114.54 20.8,114.54 ; J1.B7 20.25,115.09 20.8,114.54 ; 20.8,114.54 20.8,113.95 ; 20.8,114.54 20.8,111.5 20.6,111.3 U2.4 20.05,111.3 20.78,110.57 20.78,106.76 24.66,102.88 26.7,102.88 ; 26.41,102.88 76.01,102.88 80.4,98.48 80.4,83.38 85.68,78.11 85.68,69.97 85.35,69.64 U4.23
/USR_LED: length 117.7
  Top w0.25: v1(1.7,64.2) v1(1.7,105)
  Bottom w0.25: v1(1.7,64.2) 7.3,64.2 9,62.5 12.7,62.5 16.7,58.5 20.5,58.5 21.9,57.1 U4.4 ; v1(1.7,105) 1.71,105 D2.2
/VSENSE: length 80.7
  Top w0.25: v1(27.6,67.3) 27.6,70.4 28.7,71.5 28.7,72.7 27.3,74.1 27.3,89 28.5,90.2 28.5,95 v1(27.7,95.8)
  Bottom w0.25: R7.2 R8.1 v1(27.7,95.8) ; v1(27.6,67.3) 29.3,65.6 45.3,65.6 46.1,64.8 U4.11
Net-(D1-Pad1): length 21.3
  Top w0.25: v1(23.4,99.6) 21,102 v1(17.1,102)
  Bottom w0.25: v1(17.1,102) 5.19,102 4.29,102.9 ; v1(23.4,99.6) 23.41,99.59 R11.2
Net-(D2-Pad1): length 1.6
  Bottom w0.25: D2.1 R12.1
Net-(D14-Pad1): length 17.5
  Top w0.25: v1(20.4,103.4) 20.2,103.6 v1(18.1,103.6)
  Bottom w0.25: v1(20.4,103.4) 20.41,103.39 R4.2 ; 4.29,104.7 5.39,103.6 v1(18.1,103.6)
Net-(D21-Pad2): length 40.4
  Bottom w0.25: D21.2 156.55,9.65 156.9,10 182.85,10 183.55,10.7 187.1,10.7 191.55,15.15 D22.4
Net-(D22-Pad2): length 38.5
  Bottom w0.25: D23.4 226.7,15.15 225,13.45 ; 225,13.45 225.53,13.97 ; 225,13.45 225,12.1 223.5,10.6 222.15,10.6 221.2,9.65 D22.2
Net-(D23-Pad2): length 39.4
  Bottom w0.25: D23.2 231.95,9.65 232.3,10 254,10 254.8,10.8 262.1,10.8 266.45,15.15 D25.4
Net-(D_0-Pad2): length 44.3
  Bottom w0.25: K_0.S2 7.79,113.44 K_0.S2 11.69,114.69 16,119 25.6,119 27.6,117 34.2,117 ; 34.2,117 34.1,117 ; 34.2,117 38.6,112.6 38.6,109.7 40.05,108.25 D_0.2
Net-(D_1-Pad2): length 21.4
  Bottom w0.25: D_1.2 37.9,112.4 33.9,116.4 29.8,116.4 K_1.S2 26.84,113.44 K_1.S2
Net-(D_2-Pad2): length 9.8
  Bottom w0.25: K_2.S2 45.89,113.44 K_2.S2 43.45,110.15 42.5,109.2 D_2.2
Net-(D_3-Pad2): length 10.5
  Bottom w0.25: D_3.2 62.08,110.13 K_3.S2 66.13,111.38 K_3.S2
Net-(D_4-Pad2): length 7.7
  Bottom w0.25: K_4.2 94.69,108.25 D_4.2
Net-(D_5-Pad2): length 7.7
  Bottom w0.25: D_5.2 113.75,108.25 K_5.2
Net-(D_6-Pad2): length 7.7
  Bottom w0.25: D_6.2 132.79,108.25 K_6.2
Net-(D_7-Pad2): length 7.7
  Bottom w0.25: K_7.2 151.84,108.25 D_7.2
Net-(D_8-Pad2): length 7.7
  Bottom w0.25: K_8.2 170.89,108.25 D_8.2
Net-(D_9-Pad2): length 7.7
  Bottom w0.25: K_9.2 189.94,108.25 D_9.2
Net-(D_10-Pad2): length 7.7
  Bottom w0.25: K_10.2 209,108.25 D_10.2
Net-(D_11-Pad2): length 7.7
  Bottom w0.25: K_11.2 228.05,108.25 D_11.2
Net-(D_12-Pad2): length 7.7
  Bottom w0.25: D_12.2 247.1,108.25 K_12.2
Net-(D_13-Pad2): length 7.7
  Bottom w0.25: D_13.2 266.14,108.25 K_13.2
Net-(D_14-Pad2): length 7.7
  Bottom w0.25: D_14.2 285.19,108.25 K_14.2
Net-(D_15-Pad2): length 7.7
  Bottom w0.25: K_15.2 304.25,108.25 D_15.2
Net-(D_16-Pad2): length 7.7
  Bottom w0.25: D_16.2 323.3,108.25 K_16.2
Net-(D_17-Pad2): length 7.7
  Bottom w0.25: K_17.2 342.35,108.25 D_17.2
Net-(D_18-Pad2): length 7.7
  Bottom w0.25: D_18.2 361.39,108.25 K_18.2
Net-(D_19-Pad2): length 10.2
  Bottom w0.25: D_19.2 365.45,108.25 367.34,110.14 K_19.S2 370.94,111.39 K_19.S2
Net-(D_20-Pad2): length 7.7
  Bottom w0.25: K_20.2 18.55,89.15 D_20.2
Net-(D_21-Pad2): length 7.6
  Bottom w0.25: K_21.2 37.59,89.15 D_21.2
Net-(D_22-Pad2): length 7.6
  Bottom w0.25: K_22.2 56.65,89.15 D_22.2
Net-(D_23-Pad2): length 7.6
  Bottom w0.25: D_23.2 75.69,89.15 K_23.2
Net-(D_24-Pad2): length 7.6
  Bottom w0.25: K_24.2 94.75,89.15 D_24.2
Net-(D_25-Pad2): length 7.6
  Bottom w0.25: K_25.2 113.79,89.15 D_25.2
Net-(D_26-Pad2): length 7.6
  Bottom w0.25: K_26.2 132.84,89.15 D_26.2
Net-(D_27-Pad2): length 7.6
  Bottom w0.25: D_27.2 151.9,89.15 K_27.2
